# Altium PCB radxa_nx4_io_board_v1.11.PcbDoc (part 11 of 13)
Units mil, origin at the board's own origin, x right, y up, seen from the top; angles counter-clockwise.
Board outline 3937.01 x 3110.23 mil, 6 copper layers (TOP, GND02, ART03, ART04, GND05, BOTTOM), stack 47.2 mil thick; 639 components, 522 nets, 2442 pads, 1896 vias.
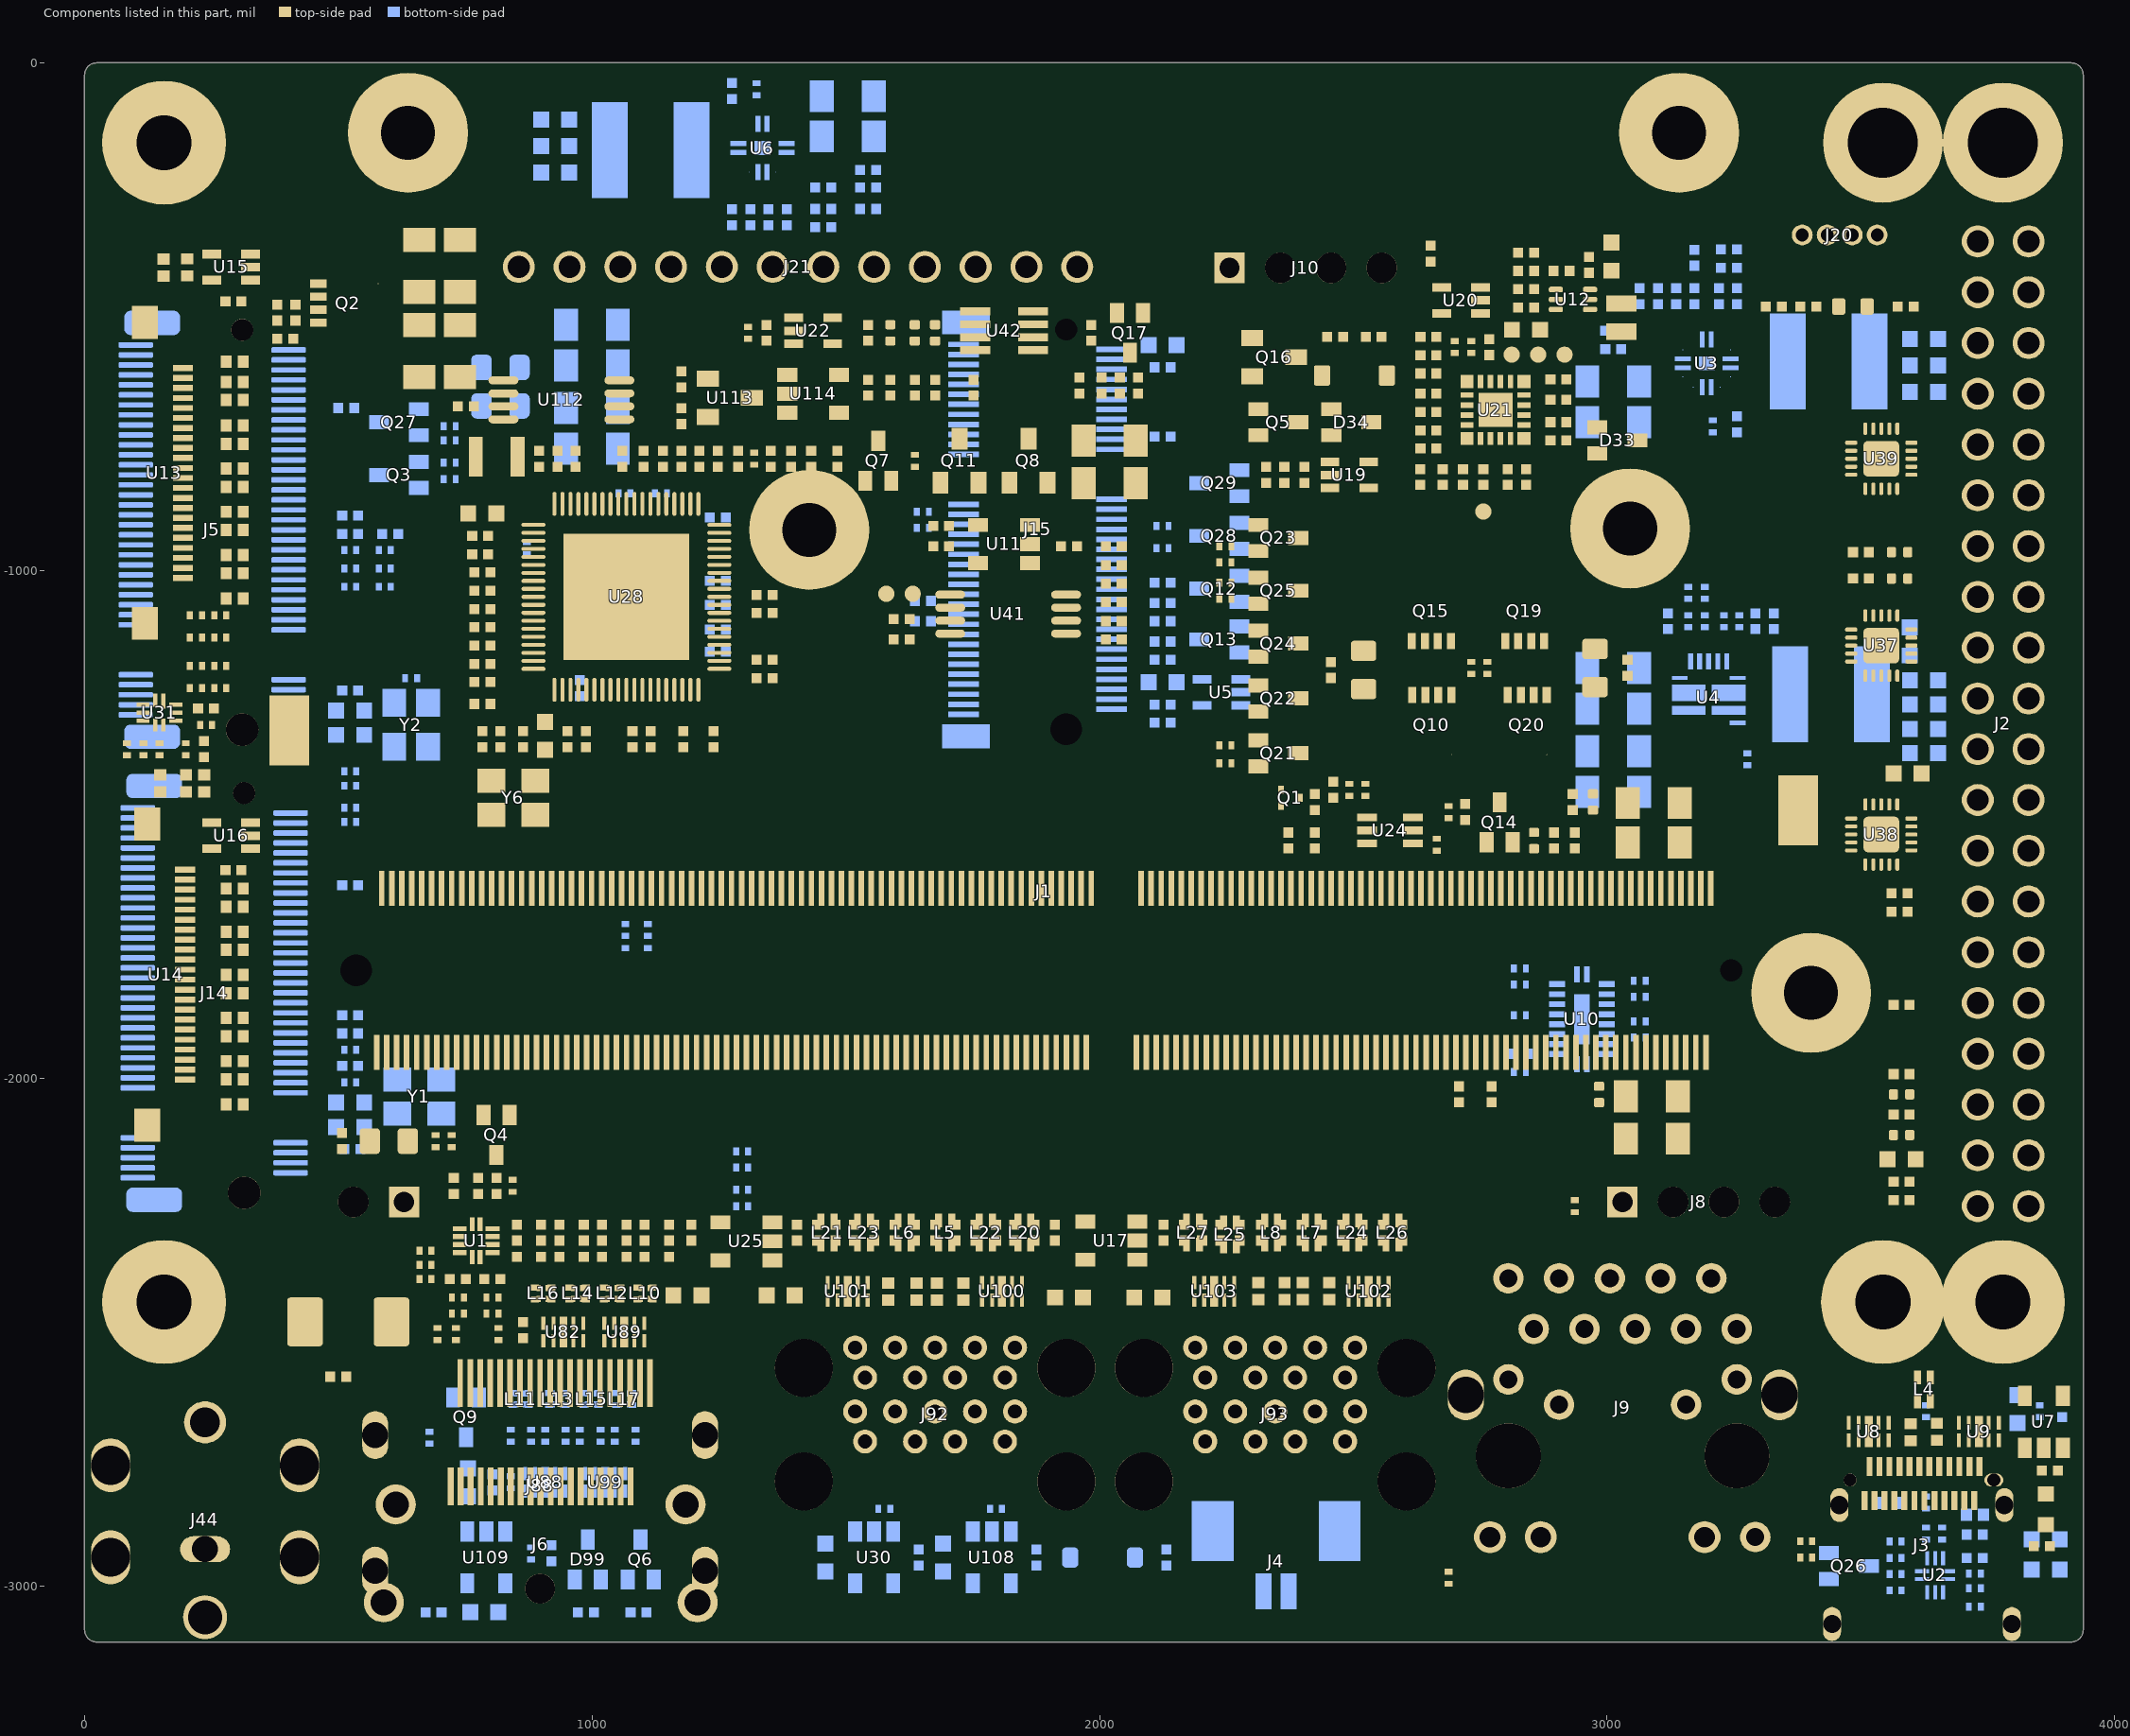
[diagram p15: the components of this part, seen from the top]

## Polygon pours and split planes (outlines as drawn) (continued)
GND on ART04 "ART04-GND 8" (solid, remove dead copper, pour order 101): 568.28,-1230.62 568.28,-1501.49 559.2,-1510.57 455.75,-1510.57 392.58,-1447.4 392.58,-1233 426.54,-1199.04 536.7,-1199.04
VDD_5V_SYS on ART04 "ART04-VDD_5V_SYS 1" (solid, remove dead copper, pour order 124): 24 vertices, not listed, extent 688,-3072 1308,-2372
GND on ART04 "ART04-GND 9" (solid, remove dead copper, pour order 140): 146 vertices, not listed, extent 424,-1748 3388,-520
VDD_3V3_SYS on ART04 "ART04-VDD_3V3_SYS 2" (solid, remove dead copper, pour order 142): 72 vertices, not listed, extent 56,-2720 3904,-107.7
GND on TOP "TOP-GND" (solid, remove dead copper, pour order 56): 2900,-556 2936,-556 2944,-564 2964,-564 2984,-584 2984,-764 2976,-772 2940,-772 2932,-764 2932,-596 2928,-592 2900,-592 2896,-588 2896,-560
VDD_5V_SYS on TOP "TOP-VDD_5V_SYS" (solid, remove dead copper, pour order 137): 65 vertices, not listed, extent 1812,-1376 3616,-176
N8251288 on TOP "TOP-N8251288" (solid, remove dead copper, pour order 57): 476,-496 440,-496 432,-488 364,-488 356,-480 356,-400 364,-392 468,-392 480,-404 480,-492
VDD_5V_SYS on TOP "TOP-VDD_5V_SYS 1" (solid, remove dead copper, pour order 26): 2952,-452 3028,-452 3036,-444 3036,-404 3036,-400 3032,-396 3028,-392 2992,-392 2980,-404 2952,-404 2948,-408 2948,-448
VDD_3V3_SYS on TOP "TOP-VDD_3V3_SYS" (solid, remove dead copper, pour order 97): 2096,-368 2120,-344 2272,-344 2296,-368 2296,-488 2230,-554 2230,-610 2220,-620 2108,-620 2096,-608
GND on TOP "TOP-GND 1" (solid, remove dead copper, pour order 8): 1368,-636 1432,-636 1448,-652 1448,-664 1440,-672 1412,-672 1408,-668 1368,-668 1364,-664 1364,-640
VDD_DCIN on TOP "TOP-VDD_DCIN" (solid, remove dead copper, pour order 91): 496,-400 592,-400 620,-428 800,-428 808,-436 808,-536 804,-540 796,-540 628,-540 612,-556 496,-556 488,-548 488,-408
GND on TOP "TOP-GND 2" (solid, remove dead copper, pour order 148): 24.35,-3098.45 cw(c24.35,-3086.84) 12.74,-3086.84 12.74,-23.85 cw(c24.35,-23.85) 24.35,-12.24 3914.12,-12.24 cw(c3914.12,-23.85) 3925.73,-23.85 3925.73,-3086.84 cw(c3914.12,-3086.84) 3914.12,-3098.45
N9898385 on TOP "TOP-N9898385" (solid, remove dead copper, pour order 25): 496,-2116 496,-2096 508,-2084 580,-2084 584,-2088 584,-2148 580,-2152 540,-2152 536,-2148 536,-2132 522.02,-2118.02 498.02,-2118.02
GND on TOP "TOP-GND 3" (solid, remove dead copper, pour order 129): 105 vertices, not listed, extent 1336,-1512 2364,-784
VDD_5V_SYS on TOP "TOP-VDD_5V_SYS 2" (solid, remove dead copper, pour order 27): 1468,-628 1524,-628 1532,-636 1556,-636 1560,-632 1560,-588 1552,-580 1472,-580 1464,-588 1464,-624
N9129367 on TOP "TOP-N9129367" (solid, remove dead copper, pour order 4): 1204,-888 1204,-848 1208,-844 1248,-844 1252,-848 1252,-888 1248,-892 1208,-892
GND on TOP "TOP-GND 4" (solid, remove dead copper, pour order 18): 2948,-388 2948,-348 2960,-336 3032,-336 3040,-344 3040,-368 3036,-372 2988,-372 2984,-376 2984,-388 2980,-392 2952,-392
VDD_3V3_SYS on TOP "TOP-VDD_3V3_SYS 1" (solid, remove dead copper, pour order 64): 17 vertices, not listed, extent 172,-608 288,-416
GND on TOP "TOP-GND 5" (solid, remove dead copper, pour order 22): 768,-948 736,-948 728,-940 728,-860 732,-856 760,-856 764,-860 776,-872 776,-944 772,-948
VDD_5V_SYS on TOP "TOP-VDD_5V_SYS 3" (solid, remove dead copper, pour order 13): 2556,-1436 2516,-1436 2512,-1440 2512,-1468 2504,-1476 2504,-1492 2508,-1496 2548,-1496 2568,-1476 2568,-1448
GND on TOP "TOP-GND 6" (solid, remove dead copper, pour order 58): 616,-376 784,-376 788,-372 788,-312 784,-308 612,-308 608,-312 608,-368
GND on TOP "TOP-GND 7" (solid, remove dead copper, pour order 65): 3064,-1424 3016,-1424 3012,-1428 3012,-1572 3020,-1580 3020,-1668 3024,-1672 3100,-1672 3112,-1660 3112,-1580 3108,-1576 3072,-1576 3064,-1568
USBC_VBUS on TOP "TOP-USBC_VBUS" (solid, remove dead copper, pour order 11): 3664,-2700 3664,-2788 3656,-2796 3656,-2868 3660,-2872 3668,-2872 3672,-2868 3672,-2800 3684,-2788 3684,-2700 3680,-2696 3668,-2696
N9913259 on TOP "TOP-N9913259" (solid, remove dead copper, pour order 68): 18 vertices, not listed, extent 2484,-1264 2704,-1120
VDD_CVM on TOP "TOP-VDD_CVM" (solid, remove dead copper, pour order 128): 28 vertices, not listed, extent 2572,-2164 3310.09,-1272
VDD_5V_SYS on TOP "TOP-VDD_5V_SYS 4" (solid, remove dead copper, pour order 5): 2940,-1452 2896,-1452 2884,-1440 2884,-1424 2900,-1408 2932,-1408 2944,-1420 2944,-1448
VDD_5V_SYS on TOP "TOP-VDD_5V_SYS 5" (solid, remove dead copper, pour order 41): 17 vertices, not listed, extent 1928,-2452 2020,-2344
N8621770 on TOP "TOP-N8621770" (solid, remove dead copper, pour order 12): 2956,-460 2980,-460 2984,-456 3056,-456 3060,-460 3060,-488 3056,-492 2992,-492 2984,-484 2984,-480 2980,-476 2956,-476 2952,-472 2952,-464
N9129587 on TOP "TOP-N9129587" (solid, remove dead copper, pour order 43): 908,-916 864,-916 860,-912 860,-868 840,-848 840,-732 844,-728 872,-728 876,-732 876,-804 912,-840 912,-852 912,-912
USBC_VBUS on TOP "TOP-USBC_VBUS 1" (solid, remove dead copper, pour order 49): 20 vertices, not listed, extent 3800,-2960 3856,-2704
VDD_3V3_SYS on TOP "TOP-VDD_3V3_SYS 2" (solid, remove dead copper, pour order 123): 2804,-2960 2804,-2880 2796,-2872 2680,-2872 2584,-2872 2516,-2940 2072,-2940 1516,-2940 1504,-2952 1504,-3060 1516,-3072 2576,-3072 2784,-3072 2804,-3052
VDD_1V8 on TOP "TOP-VDD_1V8" (solid, remove dead copper, pour order 36): 2776,-1556 2748,-1556 2700,-1508 2648,-1508 2636,-1496 2600,-1496 2596,-1492 2596,-1476 2600,-1472 2660,-1472 2668,-1480 2744,-1480 2780,-1516 2780,-1552
GND on TOP "TOP-GND 8" (solid, remove dead copper, pour order 16): 1052,-776 1108,-776 1116,-768 1116,-720 1112,-716 1080,-716 1048,-748 1048,-772
VDD_3V3_SYS on TOP "TOP-VDD_3V3_SYS 3" (solid, remove dead copper, pour order 84): 21 vertices, not listed, extent 3352,-2308 3620,-1952
no net on TOP "TOP-No Net" (solid, remove dead copper, pour order 24): 1296,-536 1356,-536 1364,-544 1416,-544 1420,-548 1420,-572 1416,-576 1296,-576 1292,-572 1292,-540
GND on TOP "TOP-GND 9" (solid, remove dead copper, pour order 90): 57 vertices, not listed, extent 1576,-1060 1996,-784
GND on TOP "TOP-GND 10" (solid, remove dead copper, pour order 17): 2024,-2304 2108,-2304 2112,-2308 2136,-2308 2140,-2312 2140,-2332 2136,-2336 2024,-2336 2020,-2332 2020,-2308
VDD_5V_SYS on TOP "TOP-VDD_5V_SYS 6" (solid, remove dead copper, pour order 73): 3748,-2284 3700,-2284 3632,-2216 3588,-2216 3584,-2212 3584,-2188 3592,-2180 3592,-2144 3600,-2136 3660,-2136 3676,-2120 3756,-2120 3764,-2128 3764,-2268
N8363376 on TOP "TOP-N8363376" (solid, remove dead copper, pour order 80): 17 vertices, not listed, extent 2904,-2540 3040,-2256
HUB_1V1 on TOP "TOP-HUB_1V1" (solid, remove dead copper, pour order 59): 24 vertices, not listed, extent 740,-932 912,-732
VDD_USB_VBUSTYPEA on TOP "TOP-VDD_USB_VBUSTYPEA" (solid, remove dead copper, pour order 44): 17 vertices, not listed, extent 1308,-2452 1432,-2344
VDD_3V3_SYS on TOP "TOP-VDD_3V3_SYS 4" (solid, remove dead copper, pour order 29): 1852,-968 1900,-968 1904,-964 1904,-944 1908,-940 1932,-940 1936,-944 1936,-1000 1936,-1008 1932,-1012 1844,-1012 1840,-1008 1840,-972 1844,-968
GND on TOP "TOP-GND 11" (solid, remove dead copper, pour order 100): 29 vertices, not listed, extent 188,-1504 448,-1220
N8251288 on TOP "TOP-N8251288 1" (solid, remove dead copper, pour order 121): 32 vertices, not listed, extent 164,-2760 688,-2128
GND on TOP "TOP-GND 12" (solid, remove dead copper, pour order 35): 3572,-2100 3572,-2124 3568,-2128 3568,-2184 3576,-2192 3576,-2248 3568,-2256 3536,-2256 3528,-2248 3528,-2104 3536,-2096 3568,-2096
N61808 on TOP "TOP-N61808" (solid, remove dead copper, pour order 50): 3400,-420 3400,-492 3404,-496 3468,-496 3472,-492 3472,-408 3504,-376 3504,-324 3496,-316 3468,-316 3460,-324 3460,-360
GND on TOP "TOP-GND 13" (solid, remove dead copper, pour order 54): 17 vertices, not listed, extent 2732,-556 2836,-424
3V3_AO on TOP "TOP-3V3_AO" (solid, remove dead copper, pour order 60): 19 vertices, not listed, extent 2844,-560 3064,-469.67
VDD_USB_VBUSTYPEB on TOP "TOP-VDD_USB_VBUSTYPEB" (solid, remove dead copper, pour order 45): 17 vertices, not listed, extent 2032,-2456 2156,-2344
GND on TOP "TOP-GND 14" (solid, remove dead copper, pour order 52): 3632,-1232 3668,-1232 3672,-1236 3672,-1436 3668,-1440 3612,-1440 3604,-1432 3604,-1384 3624,-1364 3624,-1240
USBC_VBUS on TOP "TOP-USBC_VBUS 2" (solid, remove dead copper, pour order 15): 19 vertices, not listed, extent 3548,-2872 3584,-2696
GND on TOP "TOP-GND 15" (solid, remove dead copper, pour order 21): 1304,-2304 1380,-2304 1384,-2308 1416,-2308 1420,-2312 1420,-2336 1416,-2340 1304,-2340 1300,-2336 1300,-2308
VDD_1V8 on TOP "TOP-VDD_1V8 1" (solid, remove dead copper, pour order 0): 3516,-1100 3516,-1080 3504,-1068 3488,-1068 3484,-1072 3484,-1100 3488,-1104 3512,-1104
GND on TOP "TOP-GND 16" (solid, remove dead copper, pour order 126): 116 vertices, not listed, extent 2416,-2532 3104,-1660
VDD_1V8 on TOP "TOP-VDD_1V8 2" (solid, remove dead copper, pour order 1): 3516,-1472 3516,-1444 3512,-1440 3492,-1440 3484,-1448 3484,-1472 3488,-1476 3512,-1476
VDD_5V_SYS on TOP "TOP-VDD_5V_SYS 7" (solid, remove dead copper, pour order 31): 3808,-2644 3812,-2648 3868,-2648 3876,-2640 3876,-2572 3864,-2560 3840,-2560 3808,-2592
N9914173 on TOP "TOP-N9914173" (solid, remove dead copper, pour order 72): 26 vertices, not listed, extent 2784,-1264 3056,-1120
VDD_5V_SYS on TOP "TOP-VDD_5V_SYS 8" (solid, remove dead copper, pour order 37): 1272,-2344 1216,-2344 1200,-2360 1200,-2444 1204,-2448 1264,-2448 1280,-2432 1280,-2352
VDD_1V8 on TOP "TOP-VDD_1V8 3" (solid, remove dead copper, pour order 3): 3460,-704 3512,-704 3516,-708 3516,-728 3508,-736 3476,-736 3472,-740 3460,-740 3456,-736 3456,-708
VDD_HV on TOP "TOP-VDD_HV" (solid, remove dead copper, pour order 79): 2584,-1108 2732,-1108 2744,-1096 2744,-968 2736,-960 2588,-960 2572,-976 2572,-1096
GND on TOP "TOP-GND 17" (solid, remove dead copper, pour order 105): 46 vertices, not listed, extent 302.27,-999.25 776,-528.6
GND on GND02 "GND02-GND" (solid, remove dead copper, pour order 143): 24.35,-3098.45 cw(c24.35,-3086.84) 12.74,-3086.84 12.74,-23.85 cw(c24.35,-23.85) 24.35,-12.24 3914.12,-12.24 cw(c3914.12,-23.85) 3925.73,-23.85 3925.73,-3086.84 cw(c3914.12,-3086.84) 3914.12,-3098.45
GND on GND05 "GND05-GND" (solid, remove dead copper, pour order 144): 24.35,-3098.45 cw(c24.35,-3086.84) 12.74,-3086.84 12.74,-23.85 cw(c24.35,-23.85) 24.35,-12.24 3914.12,-12.24 cw(c3914.12,-23.85) 3925.73,-23.85 3925.73,-3086.84 cw(c3914.12,-3086.84) 3914.12,-3098.45

## Keep-outs
GND02:
  region: 944.36,-1983.37 955.56,-1983.37 955.56,-1914.05 944.36,-1914.05
  region: 885.17,-1983.91 896.73,-1983.91 896.73,-1914.05 885.17,-1914.05
  region: 2174.88,-1660.42 2186.26,-1660.42 2186.26,-1591.63 2174.88,-1591.63
  region: 758.18,-1193.75 809.63,-1193.75 809.63,-1174.02 758.18,-1174.02
  region: 1189.56,-1258.54 1198.09,-1258.54 1198.09,-1210.9 1189.56,-1210.9
  region: 1781.95,-2266.59 1781.95,-2341.4 1795.69,-2341.4 1795.69,-2266.59
  region: 978.22,-1357.38 997.95,-1357.38 997.95,-1306.37 978.22,-1306.37
  region: 1586.02,-2329.44 1605.93,-2329.44 1605.93,-2278.6 1586.02,-2278.6
  region: 2164.35,-2266.59 2164.35,-2341.4 2178.09,-2341.4 2178.09,-2266.59
  region: 175,-1000.53 214.19,-1000.53 214.19,-989.34 175,-989.34
  region: 3688.63,-2726.16 3696.28,-2726.16 3696.28,-2665.46 3688.63,-2665.46
  region: 1879.59,-1660.44 1890.79,-1660.44 1890.79,-1591.47 1879.59,-1591.47
  region: 954.14,-1660.41 965.51,-1660.41 965.51,-1591.98 954.14,-1591.98
  region: 2224.12,-1983.2 2235.32,-1983.2 2235.32,-1914.41 2224.12,-1914.41
  region: 2156.04,-2329.97 2175.95,-2329.97 2175.95,-2278.07 2156.04,-2278.07
  region: 2189.95,-2266.59 2189.95,-2341.4 2203.69,-2341.4 2203.69,-2266.59
  region: 1142.28,-2361.52 1161.65,-2361.52 1161.65,-2278.46 1142.28,-2278.46
  region: 2361.87,-1983.01 2372.71,-1983.01 2372.71,-1914.58 2361.87,-1914.58
  region: 3637.88,-2724.02 3661.35,-2724.02 3661.35,-2702.16 3637.88,-2702.16
  region: 895.13,-1659.88 906.5,-1659.88 906.5,-1591.98 895.13,-1591.98
  region: 708.23,-1983.37 719.33,-1983.37 719.33,-1914.5 708.23,-1914.5
  region: 1020.41,-2530.29 1028.61,-2530.29 1028.61,-2469.4 1020.41,-2469.4
  region: 2348.18,-2329.62 2367.73,-2329.62 2367.73,-2278.07 2348.18,-2278.07
  region: 1227.07,-1103.19 1274.97,-1103.19 1274.97,-1095.19 1227.07,-1095.19
  region: 1506.39,-2329.26 1525.94,-2329.26 1525.94,-2278.07 1506.39,-2278.07
  region: 860.92,-1103.1 908.55,-1103.1 908.55,-1095.28 860.92,-1095.28
  region: 767.21,-1983.36 778.58,-1983.36 778.58,-1914.57 767.21,-1914.57
  region: 1756.35,-2266.59 1756.35,-2341.4 1770.09,-2341.4 1770.09,-2266.59
  region: 2237.35,-2270.59 2237.35,-2345.4 2251.09,-2345.4 2251.09,-2270.59
  region: 1377.7,-1983.55 1388.72,-1983.55 1388.72,-1914.23 1377.7,-1914.23
  region: 2388.49,-2447.24 2412.5,-2447.24 2412.5,-2425.24 2388.49,-2425.24
  region: 600.31,-1660.61 611.15,-1660.61 611.15,-1591.47 600.31,-1591.47
  region: 1190.96,-1660.31 1201.98,-1660.31 1201.98,-1591.35 1190.96,-1591.35
  region: 974.58,-1660.06 985.24,-1660.06 985.24,-1592.34 974.58,-1592.34
  region: 1785.98,-2329.44 1806.06,-2329.44 1806.06,-2278.6 1785.98,-2278.6
  region: 3471.34,-2726.41 3479.7,-2726.41 3479.7,-2665.27 3471.34,-2665.27
  region: 890.16,-2361.62 910.06,-2361.62 910.06,-2278.4 890.16,-2278.4
  region: 1667.51,-2414.76 1691.52,-2414.76 1691.52,-2392.76 1667.51,-2392.76
  region: 609.85,-1983.46 621.04,-1983.46 621.04,-1914.41 609.85,-1914.41
  region: 590.74,-1983.28 601.4,-1983.28 601.4,-1914.43 590.74,-1914.43
  region: 786.17,-2471.81 798.17,-2471.81 798.17,-2456.08 786.17,-2456.08
  region: 2292.55,-1660.76 2304.28,-1660.76 2304.28,-1591.62 2292.55,-1591.62
  region: 174.91,-882.88 214.37,-882.88 214.37,-871.06 174.91,-871.06
  region: 1070.4,-2841.68 1082.2,-2841.68 1082.2,-2766.87 1070.4,-2766.87
  region: 880.19,-2442.19 899.57,-2442.19 899.57,-2406.02 880.19,-2406.02
  region: 2440.49,-2447.24 2464.5,-2447.24 2464.5,-2425.24 2440.49,-2425.24
  region: 2318.35,-2266.59 2318.35,-2341.4 2332.09,-2341.4 2332.09,-2266.59
  region: 718.21,-1660.22 729.41,-1660.22 729.41,-1591.96 718.21,-1591.96
  region: 2343.95,-2266.59 2343.95,-2341.4 2357.69,-2341.4 2357.69,-2266.59
  region: 2283.13,-1982.84 2294.32,-1982.84 2294.32,-1914.58 2283.13,-1914.58
  region: 1621.95,-2266.59 1621.95,-2341.4 1635.69,-2341.4 1635.69,-2266.59
  region: 175.26,-862.88 214.1,-862.88 214.1,-851.42 175.26,-851.42
  region: 1633.94,-1983.42 1644.25,-1983.42 1644.25,-1914.1 1633.94,-1914.1
  region: 1625.65,-2329.44 1646.09,-2329.44 1646.09,-2278.78 1625.65,-2278.78
  region: 1044.23,-2441.69 1064.05,-2441.69 1064.05,-2406.23 1044.23,-2406.23
  region: 2227.86,-2329.62 2247.95,-2329.62 2247.95,-2277.9 2227.86,-2277.9
  region: 2398.35,-2266.59 2398.35,-2341.4 2412.09,-2341.4 2412.09,-2266.59
  region: 1546.38,-2329.79 1566.29,-2329.79 1566.29,-2278.25 1546.38,-2278.25
  region: 1180.94,-1983.01 1191.61,-1983.01 1191.61,-1914.58 1180.94,-1914.58
  region: 2478.35,-2266.59 2478.35,-2341.4 2492.09,-2341.4 2492.09,-2266.59
  region: 1909.51,-1983.02 1920,-1983.02 1920,-1914.59 1909.51,-1914.59
  region: 3540.16,-2850.34 3551.98,-2850.34 3551.98,-2813.01 3540.16,-2813.01
  region: 1092.07,-1660.06 1103.26,-1660.06 1103.26,-1591.45 1092.07,-1591.45
  region: 942.14,-1357.38 961.87,-1357.38 961.87,-1306.72 942.14,-1306.72
  region: 3491.61,-2726.59 3499.25,-2726.59 3499.25,-2665.09 3491.61,-2665.09
  region: 2265.89,-2329.26 2285.8,-2329.26 2285.8,-2278.07 2265.89,-2278.07
  region: 174.89,-745.04 214.17,-745.04 214.17,-733.13 174.89,-733.13
  region: 2545.56,-2450.4 2553.74,-2450.4 2553.74,-2389.6 2545.56,-2389.6
  region: 1040.38,-2530.38 1048.3,-2530.38 1048.3,-2469.64 1040.38,-2469.64
  region: 2528.95,-1660.41 2540.51,-1660.41 2540.51,-1591.27 2528.95,-1591.27
  region: 1516.35,-2266.59 1516.35,-2341.4 1530.09,-2341.4 1530.09,-2266.59
  region: 1627.51,-2414.76 1651.52,-2414.76 1651.52,-2392.76 1627.51,-2392.76
  region: 920.28,-2530.38 928.19,-2530.38 928.19,-2469.33 920.28,-2469.33
  region: 3530.63,-2726.32 3538.8,-2726.32 3538.8,-2665.44 3530.63,-2665.44
  region: 1069.76,-2647.86 1080.52,-2647.86 1080.52,-2553.4 1069.76,-2553.4
  region: 964.45,-1983.19 975.65,-1983.19 975.65,-1914.05 964.45,-1914.05
  region: 777.38,-1660.41 788.22,-1660.41 788.22,-1591.98 777.38,-1591.98
  region: 759.25,-2366.23 769.12,-2366.23 769.12,-2338.59 759.25,-2338.59
  region: 2096.23,-1660.5 2107.31,-1660.5 2107.31,-1591.52 2096.23,-1591.52
  region: 1480.43,-2450.57 1488.25,-2450.57 1488.25,-2389.52 1480.43,-2389.52
  region: 1049.95,-2647.87 1060.97,-2647.87 1060.97,-2553.58 1049.95,-2553.58
  region: 2469.94,-1660.58 2481.5,-1660.58 2481.5,-1591.44 2469.94,-1591.44
  region: 3628.64,-2783.75 3640.19,-2783.75 3640.19,-2746.43 3628.64,-2746.43
  region: 1541.95,-2266.59 1541.95,-2341.4 1555.69,-2341.4 1555.69,-2266.59
  region: 778.26,-2405.7 798.08,-2405.7 798.08,-2385.97 778.26,-2385.97
  region: 1109.57,-2441.6 1127.61,-2441.6 1127.61,-2406.31 1109.57,-2406.31
  region: 1015.7,-2441.51 1035.61,-2441.51 1035.61,-2406.14 1015.7,-2406.14
  region: 1227.33,-1134.56 1274.96,-1134.56 1274.96,-1126.91 1227.33,-1126.91
  region: 856.02,-1660.23 867.04,-1660.23 867.04,-1591.8 856.02,-1591.8
  region: 758.53,-1157.84 809.55,-1157.84 809.55,-1137.94 758.53,-1137.94
  region: 1099.49,-2530.38 1107.26,-2530.38 1107.26,-2469.55 1099.49,-2469.55
  region: 1958.34,-1660.27 1969.52,-1660.27 1969.52,-1591.61 1958.34,-1591.61
  region: 1209.97,-1660.49 1221.71,-1660.49 1221.71,-1592.24 1209.97,-1592.24
  region: 2352.49,-2447.24 2376.5,-2447.24 2376.5,-2425.24 2352.49,-2425.24
  region: 3520.43,-2850.42 3532.52,-2850.42 3532.52,-2812.92 3520.43,-2812.92
  region: 937.84,-1258.6 946.01,-1258.6 946.01,-1210.79 937.84,-1210.79
  region: 971.97,-2841.68 983.77,-2841.68 983.77,-2766.87 971.97,-2766.87
  region: 842.14,-2361.61 861.93,-2361.61 861.93,-2278.35 842.14,-2278.35
  region: 1470.38,-2329.54 1490.11,-2329.54 1490.11,-2278.35 1470.38,-2278.35
  region: 2182.57,-2450.3 2190.61,-2450.3 2190.61,-2389.49 2182.57,-2389.49
  region: 758.62,-1121.84 809.63,-1121.84 809.63,-1102.11 758.62,-1102.11
  region: 1010.84,-2647.78 1021.5,-2647.78 1021.5,-2553.04 1010.84,-2553.04
  region: 860.91,-1039.98 908.64,-1039.98 908.64,-1032.43 860.91,-1032.43
  region: 1929.24,-1983.37 1940.08,-1983.37 1940.08,-1914.41 1929.24,-1914.41
  region: 1259.39,-1983.11 1270.94,-1983.11 1270.94,-1914.68 1259.39,-1914.68
  region: 2351.56,-1660.59 2363.11,-1660.59 2363.11,-1591.98 2351.56,-1591.98
  region: 1771.4,-1983.55 1782.25,-1983.55 1782.25,-1914.41 1771.4,-1914.41
  region: 1858.49,-2328.73 1877.87,-2328.73 1877.87,-2278.78 1858.49,-2278.78
  region: 893.23,-2841.68 905.03,-2841.68 905.03,-2766.87 893.23,-2766.87
  region: 787.65,-1983.36 797.96,-1983.36 797.96,-1914.57 787.65,-1914.57
  region: 3687.84,-2783.91 3699.75,-2783.91 3699.75,-2746.31 3687.84,-2746.31
  region: 1299.13,-1983.55 1310.15,-1983.55 1310.15,-1914.23 1299.13,-1914.23
  region: 1227.61,-1197.74 1275.25,-1197.74 1275.25,-1189.83 1227.61,-1189.83
  region: 1784.28,-2450.58 1792.28,-2450.58 1792.28,-2389.26 1784.28,-2389.26
  region: 912.92,-2841.68 924.72,-2841.68 924.72,-2766.87 912.92,-2766.87
  region: 959.47,-2530.29 967.65,-2530.29 967.65,-2469.32 959.47,-2469.32
  region: 1047.91,-1258.91 1056.27,-1258.91 1056.27,-1211.1 1047.91,-1211.1
  region: 892.38,-2647.78 903.57,-2647.78 903.57,-2553.21 892.38,-2553.21
  region: 1109.22,-2647.77 1119.88,-2647.77 1119.88,-2553.58 1109.22,-2553.58
  region: 1857.95,-2266.59 1857.95,-2341.4 1871.69,-2341.4 1871.69,-2266.59
  region: 2106.08,-1983.38 2117.16,-1983.38 2117.16,-1914.54 2106.08,-1914.54
  region: 649.18,-1983.37 660.41,-1983.37 660.41,-1914.22 649.18,-1914.22
  region: 737.92,-1660.59 749.03,-1660.59 749.03,-1591.98 737.92,-1591.98
  region: 2154.97,-1660.59 2166.53,-1660.59 2166.53,-1591.1 2154.97,-1591.1
  region: 741.71,-2471.99 753.8,-2471.99 753.8,-2455.82 741.71,-2455.82
  region: 1126.64,-1258.54 1135.17,-1258.54 1135.17,-1210.55 1126.64,-1210.55
  region: 1131.41,-1660.67 1142.79,-1660.67 1142.79,-1591.17 1131.41,-1591.17
  region: 774.98,-2366.23 784.49,-2366.23 784.49,-2338.5 774.98,-2338.5
  region: 1200.55,-1983.46 1211.93,-1983.46 1211.93,-1914.14 1200.55,-1914.14
  region: 952.29,-2841.68 964.09,-2841.68 964.09,-2766.87 952.29,-2766.87
  region: 2308.19,-2328.91 2327.74,-2328.91 2327.74,-2278.25 2308.19,-2278.25
  region: 1079.51,-1258.89 1087.69,-1258.89 1087.69,-1211.15 1079.51,-1211.15
  region: 1539.45,-2450.48 1547.18,-2450.48 1547.18,-2389.61 1539.45,-2389.61
  region: 2873.92,-1983.46 2884.88,-1983.46 2884.88,-1914.36 2873.92,-1914.36
  region: 861.23,-1134.6 908.77,-1134.6 908.77,-1126.78 861.23,-1126.78
  region: 1701.95,-2266.59 1701.95,-2341.4 1715.69,-2341.4 1715.69,-2266.59
  region: 1142.99,-1258.54 1150.81,-1258.54 1150.81,-1210.55 1142.99,-1210.55
  region: 3708.37,-2726.26 3716.36,-2726.26 3716.36,-2665.65 3708.37,-2665.65
  region: 2261.36,-2450.31 2269.35,-2450.31 2269.35,-2389.34 2261.36,-2389.34
  region: 174.91,-823.66 214.37,-823.66 214.37,-812.02 174.91,-812.02
  region: 2184.3,-1983.2 2195.85,-1983.2 2195.85,-1914.59 2184.3,-1914.59
  region: 1032.88,-1660.59 1044.44,-1660.59 1044.44,-1592.52 1032.88,-1592.52
  region: 1869.42,-1983.1 1881.15,-1983.1 1881.15,-1913.96 1869.42,-1913.96
  region: 1032.8,-1258.2 1040.45,-1258.2 1040.45,-1210.56 1032.8,-1210.56
  region: 758.26,-1013.77 809.63,-1013.77 809.63,-994.22 758.26,-994.22
  region: 1653.32,-1983.24 1664.34,-1983.24 1664.34,-1914.27 1653.32,-1914.27
  region: 915.03,-1660.23 926.41,-1660.23 926.41,-1591.62 915.03,-1591.62
  region: 2342.14,-1982.84 2353.16,-1982.84 2353.16,-1914.05 2342.14,-1914.05
  region: 953.83,-1258.6 961.48,-1258.6 961.48,-1211.32 953.83,-1211.32
  region: 1226.97,-1150.46 1274.87,-1150.46 1274.87,-1142.55 1226.97,-1142.55
  region: 1226.35,-992.9 1274.87,-992.9 1274.87,-984.99 1226.35,-984.99
  region: 1938.79,-1660.62 1949.81,-1660.62 1949.81,-1591.63 1938.79,-1591.63
  region: 3630.25,-2650.27 3643.93,-2650.27 3643.93,-2575.26 3630.25,-2575.26
  region: 1719.51,-2414.76 1743.52,-2414.76 1743.52,-2392.76 1719.51,-2392.76
  region: 926.21,-2361.53 946.02,-2361.53 946.02,-2278.4 926.21,-2278.4
  region: 947.92,-2441.51 967.47,-2441.51 967.47,-2405.87 947.92,-2405.87
  region: 174.91,-803.93 214.37,-803.93 214.37,-792.02 174.91,-792.02
  region: 1062.01,-1357.52 1081.74,-1357.52 1081.74,-1305.97 1062.01,-1305.97
  region: 3550.27,-2726.25 3558.26,-2726.25 3558.26,-2665.46 3550.27,-2665.46
  region: 1313.96,-1094.01 1366.04,-1094.01 1366.04,-1074.1 1313.96,-1074.1
  region: 1072.69,-1660.24 1083.53,-1660.24 1083.53,-1591.62 1072.69,-1591.62
  region: 3767.38,-2726.34 3775.2,-2726.34 3775.2,-2665.64 3767.38,-2665.64
  region: 742.09,-2405.61 761.64,-2405.61 761.64,-2386.23 742.09,-2386.23
  region: 1706.52,-2328.9 1725.54,-2328.9 1725.54,-2278.24 1706.52,-2278.24
  region: 909.08,-2441.48 927.74,-2441.48 927.74,-2406.13 909.08,-2406.13
  region: 2273.17,-1660.76 2284.02,-1660.76 2284.02,-1591.8 2273.17,-1591.8
  region: 1226.79,-961.08 1274.78,-961.08 1274.78,-953.7 1226.79,-953.7
  region: 2428.16,-2329.8 2447.72,-2329.8 2447.72,-2278.07 2428.16,-2278.07
  region: 1460.64,-2450.57 1468.62,-2450.57 1468.62,-2389.38 1460.64,-2389.38
  region: 1095.78,-1258.44 1103.42,-1258.44 1103.42,-1211.07 1095.78,-1211.07
  region: 174.8,-764.68 214.26,-764.68 214.26,-752.95 174.8,-752.95
  region: 979.38,-2530.38 987.29,-2530.38 987.29,-2469.5 979.38,-2469.5
  region: 833.45,-2647.78 844.64,-2647.78 844.64,-2553.56 833.45,-2553.56
  region: 990.93,-2647.61 1001.77,-2647.61 1001.77,-2553.4 990.93,-2553.4
  region: 1031.03,-2841.68 1042.83,-2841.68 1042.83,-2766.87 1031.03,-2766.87
  region: 2213.98,-1660.77 2224.83,-1660.77 2224.83,-1591.81 2213.98,-1591.81
  region: 2243.5,-1983.02 2255.05,-1983.02 2255.05,-1914.41 2243.5,-1914.41
  region: 1676.35,-2266.59 1676.35,-2341.4 1690.09,-2341.4 1690.09,-2266.59
  region: 931.75,-2647.6 942.77,-2647.6 942.77,-2553.38 931.75,-2553.38
  region: 758.36,-1085.5 809.28,-1085.5 809.28,-1066.21 758.36,-1066.21
  region: 1318.51,-1983.2 1329.88,-1983.2 1329.88,-1914.59 1318.51,-1914.59
  region: 2547.97,-2329.44 2568.06,-2329.44 2568.06,-2278.43 2547.97,-2278.43
  region: 836.12,-1660.06 847.14,-1660.06 847.14,-1591.45 836.12,-1591.45
  region: 861.14,-1087.26 908.51,-1087.26 908.51,-1079.55 861.14,-1079.55
  region: 728.13,-1983.37 739.15,-1983.37 739.15,-1914.59 728.13,-1914.59
  region: 2585.65,-2329.62 2605.91,-2329.62 2605.91,-2277.89 2585.65,-2277.89
  region: 2565.3,-2450.49 2573.3,-2450.49 2573.3,-2389.61 2565.3,-2389.61
  region: 861.36,-1055.54 908.73,-1055.54 908.73,-1048.25 861.36,-1048.25
  region: 1174.45,-1258.89 1182.27,-1258.89 1182.27,-1210.55 1174.45,-1210.55
  region: 2508.33,-2329.26 2527.88,-2329.26 2527.88,-2278.42 2508.33,-2278.42
  region: 1094.11,-2361.52 1113.93,-2361.52 1113.93,-2278.65 1094.11,-2278.65
  region: 175.12,-941.5 214.32,-941.5 214.32,-930.39 175.12,-930.39
  region: 2388.35,-2329.09 2407.9,-2329.09 2407.9,-2278.08 2388.35,-2278.08
  region: 1314.07,-1185.66 1365.44,-1185.66 1365.44,-1166.46 1314.07,-1166.46
  region: 1314.07,-1221.74 1365.97,-1221.74 1365.97,-1202.36 1314.07,-1202.36
  region: 1227.33,-1055.81 1274.88,-1055.81 1274.88,-1048.17 1227.33,-1048.17
  region: 853.86,-2841.68 865.66,-2841.68 865.66,-2766.87 853.86,-2766.87
  region: 2233.89,-1660.59 2244.91,-1660.59 2244.91,-1591.81 2233.89,-1591.81
  region: 2423.95,-2266.59 2423.95,-2341.4 2437.69,-2341.4 2437.69,-2266.59
  region: 1712.4,-1983.37 1723.24,-1983.37 1723.24,-1914.05 1712.4,-1914.05
  region: 1023.39,-1983.11 1034.41,-1983.11 1034.41,-1914.68 1023.39,-1914.68
  region: 1832.35,-2266.59 1832.35,-2341.4 1846.09,-2341.4 1846.09,-2266.59
  region: 1821.88,-2329.44 1841.96,-2329.44 1841.96,-2278.43 1821.88,-2278.43
  region: 1000.88,-1258.78 1009.23,-1258.78 1009.23,-1210.79 1000.88,-1210.79
  region: 3609.09,-2783.75 3621.35,-2783.75 3621.35,-2746.43 3609.09,-2746.43
  region: 1240.01,-1983.29 1251.03,-1983.29 1251.03,-1914.14 1240.01,-1914.14
  region: 1227.24,-1087.36 1274.88,-1087.36 1274.88,-1079.54 1227.24,-1079.54
  region: 2467.98,-2329.61 2487.89,-2329.61 2487.89,-2277.89 2467.98,-2277.89
  region: 619.69,-1660.61 630.53,-1660.61 630.53,-1592.18 619.69,-1592.18
  region: 1434.02,-2329.79 1453.93,-2329.79 1453.93,-2278.12 1434.02,-2278.12
  region: 1519.72,-2450.31 1527.72,-2450.31 1527.72,-2389.34 1519.72,-2389.34
  region: 2568.41,-1660.59 2579.96,-1660.59 2579.96,-1591.45 2568.41,-1591.45
  region: 985.24,-1258.96 993.77,-1258.96 993.77,-1210.44 985.24,-1210.44
  region: 2262.95,-2270.59 2262.95,-2345.4 2276.69,-2345.4 2276.69,-2270.59
  region: 2164.75,-1983.37 2175.95,-1983.37 2175.95,-1914.41 2164.75,-1914.41
  region: 1850.22,-1983.46 1861.06,-1983.46 1861.06,-1913.96 1850.22,-1913.96
  region: 1057.94,-2361.61 1077.85,-2361.61 1077.85,-2278.47 1057.94,-2278.47
  region: 1746.16,-2329.26 1765.72,-2329.26 1765.72,-2278.07 1746.16,-2278.07
  region: 668.95,-1983.46 680.15,-1983.46 680.15,-1914.41 668.95,-1914.41
  region: 2587.79,-1660.59 2599.34,-1660.59 2599.34,-1591.62 2587.79,-1591.62
  region: 2486.38,-2450.3 2494.74,-2450.3 2494.74,-2389.44 2486.38,-2389.44
  region: 904.73,-1983.02 916.46,-1983.02 916.46,-1914.59 904.73,-1914.59
  region: 1079.76,-2530.37 1087.62,-2530.37 1087.62,-2469.55 1079.76,-2469.55
  region: 2557.35,-2266.59 2557.35,-2341.4 2571.09,-2341.4 2571.09,-2266.59
  region: 1226.72,-1181.93 1275.07,-1181.93 1275.07,-1174.02 1226.72,-1174.02
  region: 1571.51,-2414.76 1595.52,-2414.76 1595.52,-2392.76 1571.51,-2392.76
  region: 3604.29,-2650.09 3617.8,-2650.09 3617.8,-2575.26 3604.29,-2575.26
  region: 2332.19,-1660.94 2343.21,-1660.94 2343.21,-1591.27 2332.19,-1591.27
  region: 2893.59,-1983.28 2904.52,-1983.28 2904.52,-1914.5 2893.59,-1914.5
  region: 2241.72,-2450.21 2249.54,-2450.21 2249.54,-2389.52 2241.72,-2389.52
  region: 1010.05,-2361.35 1029.95,-2361.35 1029.95,-2278.28 1010.05,-2278.28
  region: 2450.39,-1660.58 2461.77,-1660.58 2461.77,-1591.26 2450.39,-1591.26
  region: 3707.39,-2783.91 3719.3,-2783.91 3719.3,-2746.14 3707.39,-2746.14
  region: 1764.73,-2450.58 1772.9,-2450.58 1772.9,-2389.44 1764.73,-2389.44
  region: 786.34,-2439.82 798.16,-2439.82 798.16,-2424.18 786.34,-2424.18
  region: 1751.86,-1983.73 1762.7,-1983.73 1762.7,-1914.41 1751.86,-1914.41
  region: 2202.26,-2450.4 2210.07,-2450.4 2210.07,-2389.7 2202.26,-2389.7
  region: 1469.95,-2266.59 1469.95,-2341.4 1483.69,-2341.4 1483.69,-2266.59
  region: 1227.51,-1008.53 1274.97,-1008.53 1274.97,-1000.62 1227.51,-1000.62
  region: 900.64,-2530.33 908.54,-2530.33 908.54,-2469.5 900.64,-2469.5
  region: 974.13,-2361.61 993.77,-2361.61 993.77,-2278.46 974.13,-2278.46
  region: 1692.31,-1983.37 1703.69,-1983.37 1703.69,-1914.41 1692.31,-1914.41
  region: 976.27,-2441.6 995.91,-2441.6 995.91,-2406.05 976.27,-2406.05
  region: 758.4,-1049.77 809.72,-1049.77 809.72,-1030.16 758.4,-1030.16
  region: 2302.86,-1983.55 2313.88,-1983.55 2313.88,-1914.23 2302.86,-1914.23
  region: 1314.13,-1058.1 1365.86,-1058.1 1365.86,-1037.84 1314.13,-1037.84
  region: 1082.2,-2441.69 1100.77,-2441.69 1100.77,-2406.14 1082.2,-2406.14
  region: 2647.69,-1660.42 2658.17,-1660.42 2658.17,-1591.81 2647.69,-1591.81
  region: 174.77,-922.12 214.32,-922.12 214.32,-910.48 174.77,-910.48
  region: 1226.89,-945.7 1274.79,-945.7 1274.79,-937.79 1226.89,-937.79
  region: 2125.65,-1983.28 2136.67,-1983.28 2136.67,-1914.57 2125.65,-1914.57
  region: 1358.15,-1983.37 1369.35,-1983.37 1369.35,-1914.4 1358.15,-1914.4
  region: 1003.75,-1983.47 1014.85,-1983.47 1014.85,-1914.33 1003.75,-1914.33
  region: 2509.76,-1660.59 2520.6,-1660.59 2520.6,-1591.45 2509.76,-1591.45
  region: 2192.3,-2329.09 2212.03,-2329.09 2212.03,-2278.07 2192.3,-2278.07
  region: 794.17,-2647.59 805.01,-2647.59 805.01,-2553.03 794.17,-2553.03
  region: 2627.96,-1660.24 2638.44,-1660.24 2638.44,-1591.27 2627.96,-1591.27
  region: 2115.79,-1660.59 2126.98,-1660.59 2126.98,-1591.54 2115.79,-1591.54
  region: 3585.27,-2724.2 3609.44,-2724.2 3609.44,-2703.4 3585.27,-2703.4
  region: 2503.95,-2266.59 2503.95,-2341.4 2517.69,-2341.4 2517.69,-2266.59
  region: 2582.95,-2266.59 2582.95,-2341.4 2596.69,-2341.4 2596.69,-2266.59
  region: 1151.32,-1660.49 1162.69,-1660.49 1162.69,-1591.53 1151.32,-1591.53
  region: 861.14,-1150.2 908.33,-1150.2 908.33,-1142.38 861.14,-1142.38
  region: 3747.74,-2726.34 3755.56,-2726.34 3755.56,-2665.64 3747.74,-2665.64
  region: 1444.35,-2266.59 1444.35,-2341.4 1458.09,-2341.4 1458.09,-2266.59
  region: 2300.49,-2447.24 2324.5,-2447.24 2324.5,-2425.24 2300.49,-2425.24
  region: 797.11,-1660.41 807.95,-1660.41 807.95,-1591.62 797.11,-1591.62
  region: 951.47,-2647.78 962.85,-2647.78 962.85,-2553.4 951.47,-2553.4
  region: 174.82,-981.17 214.28,-981.17 214.28,-969.61 174.82,-969.61
  region: 1899.14,-1660.26 1910.52,-1660.26 1910.52,-1591.3 1899.14,-1591.3
  region: 2506.47,-2450.35 2514.33,-2450.35 2514.33,-2389.42 2506.47,-2389.42
  region: 1227.52,-1040.16 1274.89,-1040.16 1274.89,-1032.34 1227.52,-1032.34
  region: 1665.64,-2329.44 1685.73,-2329.44 1685.73,-2278.6 1665.64,-2278.6
  region: 1013.15,-1660.41 1024.17,-1660.41 1024.17,-1591.63 1013.15,-1591.63
  region: 741.73,-2439.64 753.64,-2439.64 753.64,-2424.18 741.73,-2424.18
  region: 1098.27,-1357.52 1118.18,-1357.52 1118.18,-1306.33 1098.27,-1306.33
  region: 1843.65,-2450.58 1851.47,-2450.58 1851.47,-2389.79 1843.65,-2389.79
  region: 1823.56,-2450.22 1831.74,-2450.22 1831.74,-2389.26 1823.56,-2389.26
  region: 1596.35,-2266.59 1596.35,-2341.4 1610.09,-2341.4 1610.09,-2266.59
  region: 1011.34,-2841.68 1023.14,-2841.68 1023.14,-2766.87 1011.34,-2766.87
GND05:
  region: 1003.55,-2649.62 1019.9,-2649.62 1019.9,-2613.71 1003.55,-2613.71
  region: 505.76,-1474.85 542.02,-1474.85 542.02,-1458.32 505.76,-1458.32
  region: 67.09,-825.36 67.09,-837.12 135.53,-837.12 135.53,-825.36
  region: 2885.61,-1938.67 2916.36,-1938.67 2916.36,-1926.94 2885.61,-1926.94
  region: 835.48,-2649.97 852.01,-2649.97 852.01,-2613.89 835.48,-2613.89
  region: 505.77,-1432.13 542.03,-1432.13 542.03,-1415.24 505.77,-1415.24
  region: 3046.5,-1847.95 3081.87,-1847.95 3081.87,-1831.42 3046.5,-1831.42
  region: 70.4,-1690.28 139.54,-1690.28 139.54,-1678.55 70.4,-1678.55
  region: 66.41,-1073.23 135.37,-1073.23 135.37,-1061.33 66.41,-1061.33
  region: 66.95,-904.69 66.95,-915.53 135.4,-915.53 135.4,-904.69
  region: 1633.92,-876.01 1633.92,-891.94 1669.74,-891.94 1669.74,-876.01
  region: 66.9,-974.68 135.51,-974.68 135.51,-963.31 66.9,-963.31
  region: 70.22,-1630.55 139.36,-1630.55 139.36,-1619.53 70.22,-1619.53
  region: 871.93,-2721.52 887.93,-2721.52 887.93,-2709.79 871.93,-2709.79
  region: 1076.07,-2721.63 1091.89,-2721.63 1091.89,-2709.72 1076.07,-2709.72
  region: 1701.85,-588.63 1701.85,-599.66 1762.91,-599.66 1762.91,-588.63
  region: 1702.05,-1002.03 1702.05,-1013.13 1762.98,-1013.13 1762.98,-1002.03
  region: 884.11,-2826.33 892.2,-2826.33 892.2,-2765.26 884.11,-2765.26
  region: 2885.61,-1860.02 2916.71,-1860.02 2916.71,-1847.93 2885.61,-1847.93
  region: 867.66,-2649.62 884.01,-2649.62 884.01,-2614.07 867.66,-2614.07
  region: 71.11,-1768.66 139.36,-1768.66 139.36,-1757.64 71.11,-1757.64
  region: 70.04,-1926.5 139.53,-1926.5 139.53,-1915.3 70.04,-1915.3
  region: 505.94,-1403.69 542.03,-1403.69 542.03,-1387.87 505.94,-1387.87
  region: 968.09,-2721.72 983.82,-2721.72 983.82,-2709.82 968.09,-2709.82
  region: 70.58,-1807.94 139.54,-1807.94 139.54,-1796.56 70.58,-1796.56
  region: 2884.89,-1919.12 2916.71,-1919.12 2916.71,-1907.04 2884.89,-1907.04
  region: 1701.85,-568.97 1701.85,-580.2 1763.04,-580.2 1763.04,-568.97
  region: 2983.27,-1919.38 3015.44,-1919.38 3015.44,-1906.76 2983.27,-1906.76
  region: 66.3,-1033.86 135.8,-1033.86 135.8,-1022.84 66.3,-1022.84
  region: 1702.05,-903.44 1702.05,-914.67 1762.91,-914.67 1762.91,-903.44
  region: 2983.79,-1879.92 3015.25,-1879.92 3015.25,-1867.84 2983.79,-1867.84
  region: 1277.9,-2184.27 1313.9,-2184.27 1313.9,-2168.1 1277.9,-2168.1
  region: 70.4,-1709.82 139.89,-1709.82 139.89,-1698.45 70.4,-1698.45
  region: 975.82,-2649.62 992.17,-2649.62 992.17,-2614.42 975.82,-2614.42
  region: 1278.08,-2228.04 1313.9,-2228.04 1313.9,-2211.77 1278.08,-2211.77
  region: 71.02,-1532.26 139.54,-1532.26 139.54,-1521.06 71.02,-1521.06
  region: 2983.98,-1958.49 3014.9,-1958.49 3014.9,-1946.58 2983.98,-1946.58
  region: 1701.72,-883.75 1701.72,-895.18 1762.84,-895.18 1762.84,-883.75
  region: 864.56,-2826.49 872.38,-2826.49 872.38,-2765.44 864.56,-2765.44
  region: 2885.25,-1840.82 2916.53,-1840.82 2916.53,-1828.2 2885.25,-1828.2
  region: 1002.12,-2826.41 1010.12,-2826.41 1010.12,-2765.44 1002.12,-2765.44
  region: 1061.67,-2826.41 1068.96,-2826.41 1068.96,-2765.45 1061.67,-2765.45
  region: 66.9,-955.13 135.87,-955.13 135.87,-943.76 66.9,-943.76
  region: 70.57,-1591.63 139.18,-1591.63 139.18,-1579.89 70.57,-1579.89
  region: 1701.78,-1021.59 1701.78,-1032.95 1762.98,-1032.95 1762.98,-1021.59
  region: 67.35,-845.47 67.35,-856.67 135.27,-856.67 135.27,-845.47
  region: 1041.76,-2826.59 1049.58,-2826.59 1049.58,-2765.45 1041.76,-2765.45
  region: 3046.01,-1927.92 3081.91,-1927.92 3081.91,-1910.86 3046.01,-1910.86
  region: 2983.61,-1820.91 3014.89,-1820.91 3014.89,-1808.82 2983.61,-1808.82
  region: 940.01,-2721.72 956.01,-2721.72 956.01,-2709.55 940.01,-2709.55
  region: 2983.79,-1840.28 3014.89,-1840.28 3014.89,-1828.02 2983.79,-1828.02
  region: 71.11,-1828.02 139.36,-1828.02 139.36,-1816.65 71.11,-1816.65
  region: 67.3,-1092.61 135.2,-1092.61 135.2,-1081.41 67.3,-1081.41
  region: 1039.99,-2648.84 1059.37,-2648.84 1059.37,-2614.18 1039.99,-2614.18
  region: 71.1,-1886.51 139.18,-1886.51 139.18,-1875.84 71.1,-1875.84
  region: 900.01,-2721.81 916.19,-2721.81 916.19,-2709.81 900.01,-2709.81
  region: 1102.13,-1690.29 1102.13,-1749.71 1117.87,-1749.71 1117.87,-1690.29
  region: 1068.25,-2649.56 1088.33,-2649.56 1088.33,-2614.37 1068.25,-2614.37
  region: 1701.79,-942.79 1701.79,-954.13 1762.91,-954.13 1762.91,-942.79
  region: 1008.26,-2721.81 1023.9,-2721.81 1023.9,-2709.9 1008.26,-2709.9
  region: 71.11,-1985.15 139.36,-1985.15 139.36,-1973.77 71.11,-1973.77
  region: 70.93,-1867.48 139.19,-1867.48 139.19,-1856.11 70.93,-1856.11
  region: 831.86,-2721.79 847.86,-2721.79 847.86,-2709.7 831.86,-2709.7
  region: 1058.13,-1690.29 1058.13,-1749.71 1073.87,-1749.71 1073.87,-1690.29
  region: 1036.17,-2721.72 1051.99,-2721.72 1051.99,-2709.81 1036.17,-2709.81
  region: 66.84,-1013.95 135.27,-1013.95 135.27,-1002.75 66.84,-1002.75
  region: 943.12,-2826.41 951.65,-2826.41 951.65,-2765.26 943.12,-2765.26
  region: 71.11,-1650.45 139.18,-1650.45 139.18,-1639.26 71.11,-1639.26
  region: 67.37,-884.61 67.37,-895.97 135.53,-895.97 135.53,-884.61
  region: 1277.46,-2152.19 1313.9,-2152.19 1313.9,-2135.75 1277.46,-2135.75
  region: 70.39,-1571.36 139.54,-1571.36 139.54,-1560.52 70.39,-1560.52
  region: 506.12,-1502.93 542.38,-1502.93 542.38,-1486.94 506.12,-1486.94
  region: 70.92,-1946.05 139.36,-1946.05 139.36,-1934.67 70.92,-1934.67
  region: 3046.18,-1895.75 3081.73,-1895.75 3081.73,-1879.93 3046.18,-1879.93
  region: 1278.08,-2260.03 1314.08,-2260.03 1314.08,-2243.77 1278.08,-2243.77
  region: 982.93,-2826.23 990.75,-2826.23 990.75,-2765.62 982.93,-2765.62
  region: 2983.98,-1938.76 3015.08,-1938.76 3015.08,-1927.03 2983.98,-1927.03
  region: 70.58,-1748.93 139.54,-1748.93 139.54,-1737.73 70.58,-1737.73
  region: 2983.61,-1860.37 3014.9,-1860.37 3014.9,-1847.93 2983.61,-1847.93
  region: 923.57,-2826.23 932.28,-2826.23 932.28,-2765.62 923.57,-2765.62
  region: 71.35,-1512.82 139.33,-1512.82 139.33,-1501.71 71.35,-1501.71
  region: 1701.72,-962.59 1701.72,-973.76 1762.92,-973.76 1762.92,-962.59
  region: 71.11,-2004.88 139.54,-2004.88 139.54,-1993.32 71.11,-1993.32
  region: 1634.12,-907.81 1634.12,-923.87 1669.8,-923.87 1669.8,-907.81
  region: 936,-2649.79 956.27,-2649.79 956.27,-2614.6 936,-2614.6
  region: 3046.14,-1815.96 3081.69,-1815.96 3081.69,-1799.61 3046.14,-1799.61
  region: 2983.62,-1899.83 3015.25,-1899.83 3015.25,-1887.39 2983.62,-1887.39
  region: 908.1,-2649.62 927.83,-2649.62 927.83,-2614.42 908.1,-2614.42

## Text inside footprints (layer, text, board x,y; h text height)
D12: PIN_NUMBER "1" at 3594.31,-2680.62 h8 r270; PIN_NUMBER "2" at 3594.31,-2714.08 h8 r270; ASSEMBLY_TOP "ESD5311N" at 3501.7,-2698.26 h26 r270
D13: PIN_NUMBER "2" at 310.02,-1832.49 h8; PIN_NUMBER "1" at 276.56,-1832.49 h8; ASSEMBLY_TOP "ESD5311N" at 214.2,-1845.1 h26
D14: PIN_NUMBER "2" at 310.02,-1796.49 h8; PIN_NUMBER "1" at 276.56,-1796.49 h8; ASSEMBLY_TOP "ESD5311N" at 214.2,-1809.1 h26
D15: PIN_NUMBER "2" at 310.02,-1747.49 h8; PIN_NUMBER "1" at 276.56,-1747.49 h8; ASSEMBLY_TOP "ESD5311N" at 214.2,-1760.1 h26
D16: PIN_NUMBER "2" at 310.02,-1711.49 h8; PIN_NUMBER "1" at 276.56,-1711.49 h8; ASSEMBLY_TOP "ESD5311N" at 214.2,-1724.1 h26
D17: PIN_NUMBER "2" at 310.02,-1662.49 h8; PIN_NUMBER "1" at 276.56,-1662.49 h8; ASSEMBLY_TOP "ESD5311N" at 214.2,-1675.1 h26
D18: PIN_NUMBER "2" at 233.29,-1402.78 h8 r90; PIN_NUMBER "1" at 233.29,-1436.24 h8 r90; ASSEMBLY_TOP "ESD5311N" at 165.9,-1418.6 h26 r90
D19: PIN_NUMBER "2" at 310.02,-1626.49 h8; PIN_NUMBER "1" at 276.56,-1626.49 h8; ASSEMBLY_TOP "ESD5311N" at 214.2,-1639.1 h26
D20: PIN_NUMBER "2" at 197.29,-1402.78 h8 r90; PIN_NUMBER "1" at 197.29,-1436.24 h8 r90; ASSEMBLY_TOP "ESD5311N" at 129.9,-1418.6 h26 r90
D21: PIN_NUMBER "2" at 146.29,-1402.78 h8 r90; PIN_NUMBER "1" at 146.29,-1436.24 h8 r90; ASSEMBLY_TOP "ESD5311N" at 78.9,-1418.6 h26 r90
D22: PIN_NUMBER "2" at 310.02,-799.49 h8; PIN_NUMBER "1" at 276.56,-799.49 h8; ASSEMBLY_TOP "ESD5311N" at 214.2,-812.1 h26
D23: PIN_NUMBER "2" at 310.02,-750.49 h8; PIN_NUMBER "1" at 276.56,-750.49 h8; ASSEMBLY_TOP "ESD5311N" at 214.2,-763.1 h26
D24: PIN_NUMBER "2" at 310.02,-714.49 h8; PIN_NUMBER "1" at 276.56,-714.49 h8; ASSEMBLY_TOP "ESD5311N" at 214.2,-727.1 h26
D25: PIN_NUMBER "2" at 310.02,-664.49 h8; PIN_NUMBER "1" at 276.56,-664.49 h8; ASSEMBLY_TOP "ESD5311N" at 214.21,-677.1 h26
D26: PIN_NUMBER "2" at 199.82,-419.71 h8 r270; PIN_NUMBER "1" at 199.82,-386.25 h8 r270; ASSEMBLY_TOP "ESD5311N" at 107.21,-403.89 h26 r270
D27: PIN_NUMBER "2" at 153.29,-386.78 h8 r90; PIN_NUMBER "1" at 153.29,-420.24 h8 r90; ASSEMBLY_TOP "ESD5311N" at 85.9,-402.6 h26 r90
D28: PIN_NUMBER "2" at 310.02,-628.49 h8; PIN_NUMBER "1" at 276.56,-628.49 h8; ASSEMBLY_TOP "ESD5311N" at 214.2,-641.1 h26
D29: PIN_NUMBER "2" at 310.02,-588.49 h8; PIN_NUMBER "1" at 276.56,-588.49 h8; ASSEMBLY_TOP "ESD5311N" at 214.2,-601.1 h26
D30: PIN_NUMBER "2" at 3867,-2819.25 h30 r90; PIN_NUMBER "1" at 3862,-2879.25 h30 r90
D31: PIN_NUMBER "2" at 3744.42,-2859.51 h8; PIN_NUMBER "1" at 3710.96,-2859.51 h8; ASSEMBLY_TOP "ESD5311N" at 3808.6,-2846.9 h26
D32: PIN_NUMBER "2" at 3541.98,-2836.49 h8 r180; PIN_NUMBER "1" at 3575.44,-2836.49 h8 r180; ASSEMBLY_TOP "ESD5311N" at 3637.8,-2849.1 h26 r180
D33: PIN_NUMBER "3" at 3047.37,-744 h30 r270; PIN_NUMBER "1" at 2968.63,-718.41 h30 r270; PIN_NUMBER "2" at 2968.63,-769.59 h30 r270
D34: PIN_NUMBER "3" at 2523.37,-708 h30 r270; PIN_NUMBER "2" at 2444.63,-733.59 h30 r270; PIN_NUMBER "1" at 2444.63,-682.41 h30 r270
D35: PIN_NUMBER "1" at 2426.25,-616 h30 r180; PIN_NUMBER "2" at 2553.82,-616 h30 r180; ASSEMBLY_TOP "SOD-123" at 2584.71,-663.24 h30 r180
D36: PIN_NUMBER "2" at 1728.31,-2437.22 h8 r270; PIN_NUMBER "1" at 1728.31,-2403.76 h8 r270; ASSEMBLY_TOP "ESD5311N" at 1635.7,-2421.4 h26 r270
D37: PIN_NUMBER "2" at 1676.31,-2437.22 h8 r270; PIN_NUMBER "1" at 1676.31,-2403.76 h8 r270; ASSEMBLY_TOP "ESD5311N" at 1583.7,-2421.4 h26 r270
D38: PIN_NUMBER "2" at 1636.31,-2437.22 h8 r270; PIN_NUMBER "1" at 1636.31,-2403.76 h8 r270; ASSEMBLY_TOP "ESD5311N" at 1543.7,-2421.4 h26 r270
D39: PIN_NUMBER "2" at 1580.31,-2437.22 h8 r270; PIN_NUMBER "1" at 1580.31,-2403.76 h8 r270; ASSEMBLY_TOP "ESD5311N" at 1487.7,-2421.4 h26 r270
D40: PIN_NUMBER "2" at 2361.29,-2402.78 h8 r90; PIN_NUMBER "1" at 2361.29,-2436.24 h8 r90; ASSEMBLY_TOP "ESD5311N" at 2293.9,-2418.6 h26 r90
D41: PIN_NUMBER "2" at 2309.29,-2402.78 h8 r90; PIN_NUMBER "1" at 2309.29,-2436.24 h8 r90; ASSEMBLY_TOP "ESD5311N" at 2241.9,-2418.6 h26 r90
D42: PIN_NUMBER "2" at 2449.29,-2402.78 h8 r90; PIN_NUMBER "1" at 2449.29,-2436.24 h8 r90; ASSEMBLY_TOP "ESD5311N" at 2381.9,-2418.6 h26 r90
D43: PIN_NUMBER "2" at 2397.29,-2402.78 h8 r90; PIN_NUMBER "1" at 2397.29,-2436.24 h8 r90; ASSEMBLY_TOP "ESD5311N" at 2329.9,-2418.6 h26 r90
D47: PIN_NUMBER "2" at 310.02,-1055.49 h8; PIN_NUMBER "1" at 276.56,-1055.49 h8; ASSEMBLY_TOP "ESD5311N" at 214.2,-1068.1 h26
D48: PIN_NUMBER "2" at 310.02,-1005.49 h8; PIN_NUMBER "1" at 276.56,-1005.49 h8; ASSEMBLY_TOP "ESD5311N" at 214.2,-1018.1 h26
D49: PIN_NUMBER "2" at 310.02,-969.49 h8; PIN_NUMBER "1" at 276.56,-969.49 h8; ASSEMBLY_TOP "ESD5311N" at 214.2,-982.1 h26
D50: PIN_NUMBER "2" at 310.02,-920.49 h8; PIN_NUMBER "1" at 276.56,-920.49 h8; ASSEMBLY_TOP "ESD5311N" at 214.2,-933.1 h26
D51: PIN_NUMBER "2" at 310.02,-884.49 h8; PIN_NUMBER "1" at 276.56,-884.49 h8; ASSEMBLY_TOP "ESD5311N" at 214.2,-897.1 h26
D52: PIN_NUMBER "2" at 310.02,-835.49 h8; PIN_NUMBER "1" at 276.56,-835.49 h8; ASSEMBLY_TOP "ESD5311N" at 214.2,-848.1 h26
D60: PIN_NUMBER "1" at 3547.4,-1016 h15.75 r180; PIN_NUMBER "2" at 3579.4,-1016 h15.75 r180
D61: PIN_NUMBER "1" at 3547.4,-964 h15.75 r180; PIN_NUMBER "2" at 3579.4,-964 h15.75 r180
D62: PIN_NUMBER "1" at 3551.4,-2032 h15.75 r180; PIN_NUMBER "2" at 3583.4,-2032 h15.75 r180
D63: PIN_NUMBER "1" at 3551.4,-2112 h15.75 r180; PIN_NUMBER "2" at 3583.4,-2112 h15.75 r180
D64: PIN_NUMBER "1" at 1575.4,-548 h15.75 r270; PIN_NUMBER "2" at 1575.4,-516 h15.75 r270
D65: PIN_NUMBER "1" at 1623.4,-548 h15.75 r270; PIN_NUMBER "2" at 1623.4,-516 h15.75 r270
D66: PIN_NUMBER "1" at 1663.4,-548 h15.75 r270; PIN_NUMBER "2" at 1663.4,-516 h15.75 r270
D99: PIN_NUMBER "1" at 1029.59,-2987.37 h30 r180; PIN_NUMBER "2" at 978.41,-2987.37 h30 r180; PIN_NUMBER "3" at 1004,-2908.63 h30 r180
FB1: PIN_NUMBER "1" at 735.45,-596.06 h15; PIN_NUMBER "2" at 912.61,-600 h15
FB2: PIN_NUMBER "1" at 735.45,-672.06 h15; PIN_NUMBER "2" at 912.61,-676 h15
FB3: PIN_NUMBER "1" at 3490.16,-476.27 h15 r180; PIN_NUMBER "2" at 3434.16,-474.3 h15 r180; ASSEMBLY_TOP "0603" at 3539.12,-515.64 h31 r180
H1: PIN_NUMBER "1" at 1436,-920 h10 r180
H2: PIN_NUMBER "1" at 629.8,-137.8 h10
H3: PIN_NUMBER "1" at 3133.73,-137.8 h10
H1005: PIN_NUMBER "1" at 3759.37,-157.48 h25.2
H1006: PIN_NUMBER "1" at 3523.15,-157.48 h25.2
H1007: PIN_NUMBER "1" at 3409.7,-1832 h10 r180
H1011: PIN_NUMBER "1" at 3053.12,-917.32 h10 r180